# KiCad board pcb.kicad_pcb
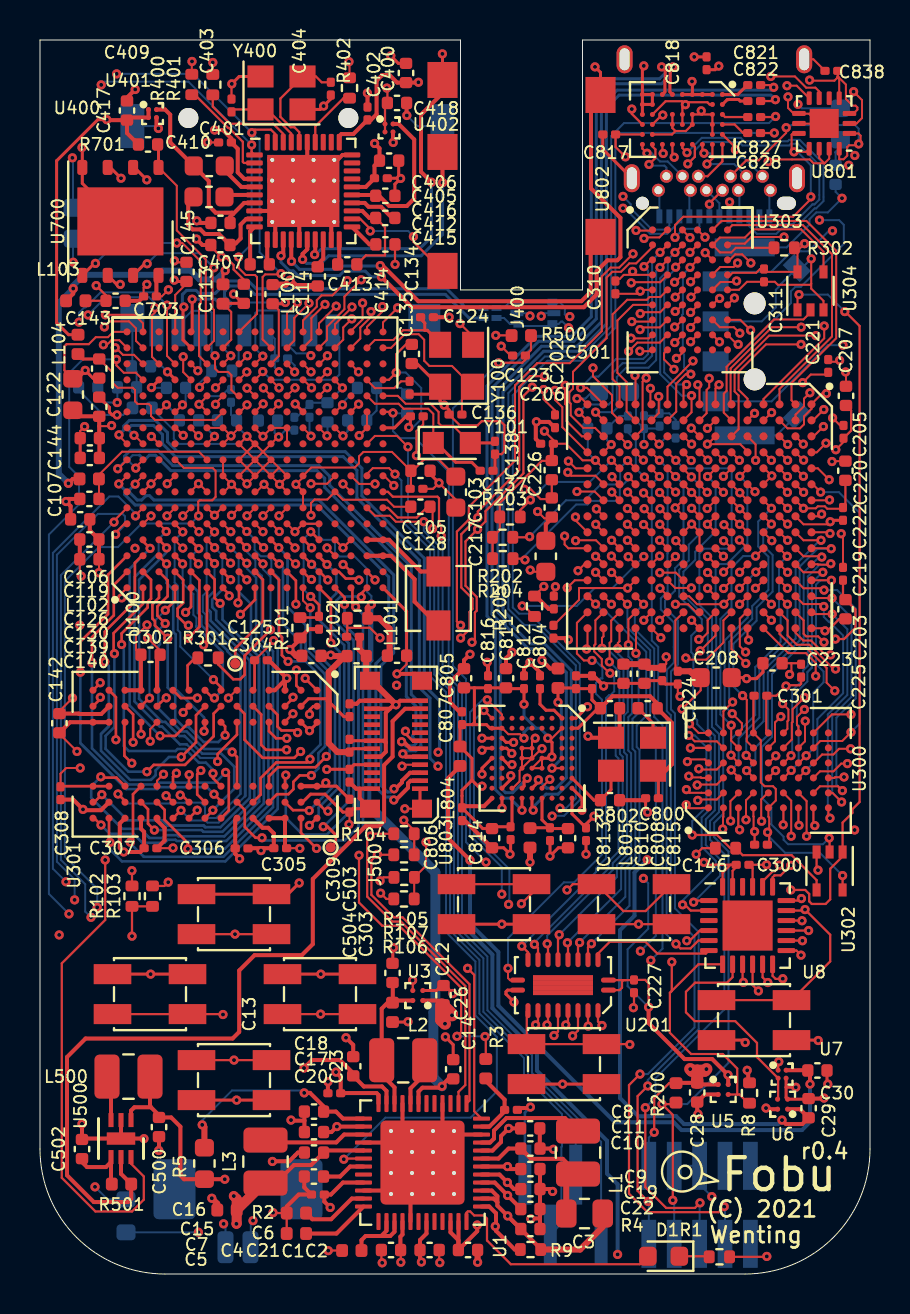
[diagram p0: board, top side]
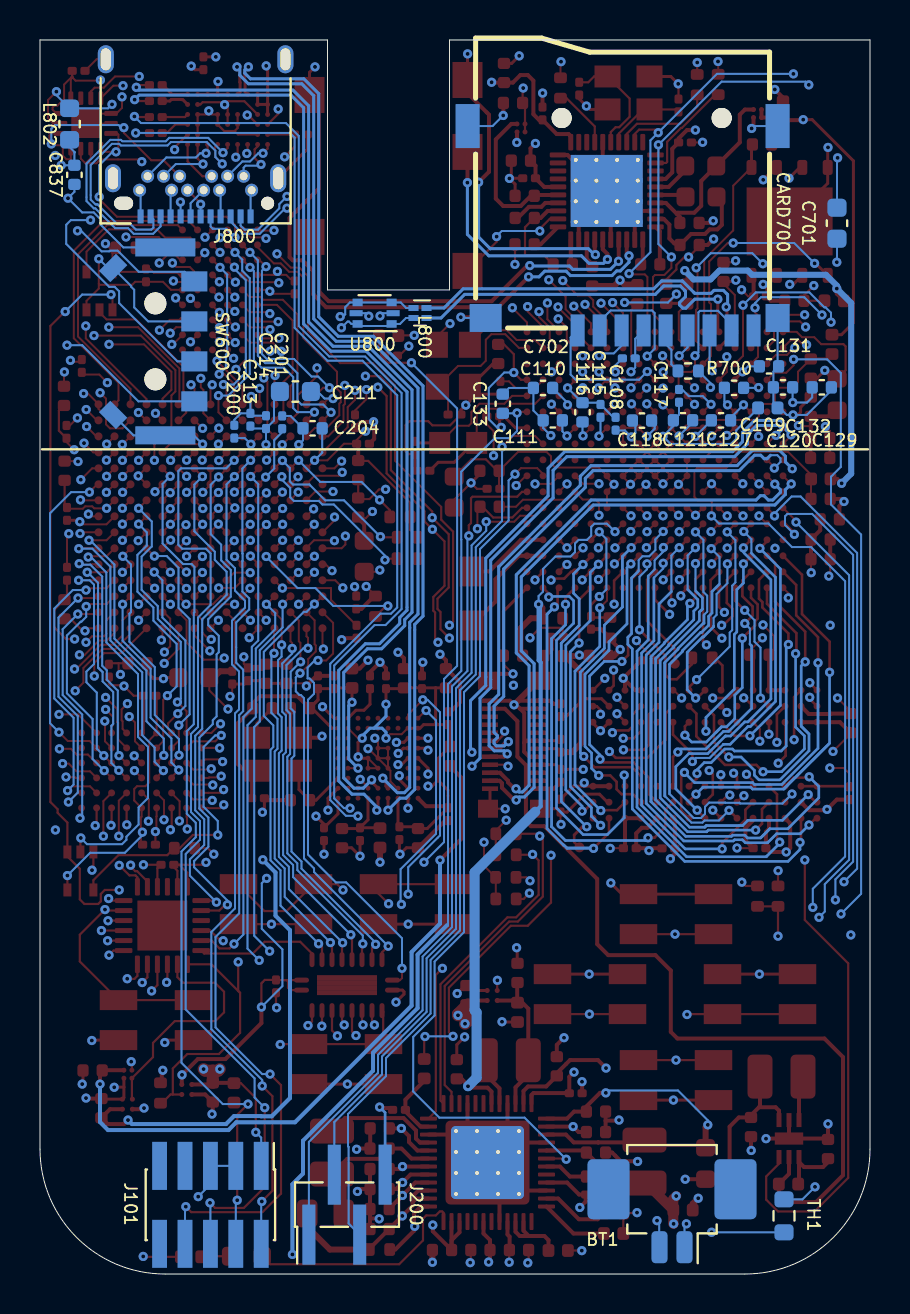
[diagram p1: board, bottom side, seen from below]

Outline 41.5 x 61.73 mm; copper layers: Top, In1.Cu (plane), In2.Cu, In3.Cu (plane), In4.Cu (plane), Bottom. Coordinates in mm from the lower left corner of the outline.
Outline path: 0,61.73 0,6.25 arc(1.83,1.83) 6.25,0 35.25,0 arc(39.67,1.83) 41.5,6.25 41.5,61.73 27.12,61.73 27.12,49.22 21.03,49.22 21.03,61.73 0,61.73
Stack: Top 0.035mm / dielectric 0.1mm FR4 er 4.5 / In1.Cu 0.0175mm / dielectric 0.365mm FR4 er 4.5 / In2.Cu 0.0175mm / dielectric 0.127mm FR4 er 4.5 / In3.Cu 0.0175mm / dielectric 0.365mm FR4 er 4.5 / In4.Cu 0.0175mm / dielectric 0.1mm FR4 er 4.5 / Bottom 0.035mm

## Placement (name value [footprint] x y rotation side)
BT1  Conn_01x02  [Molex_PicoBlade_53261-0271_1x02-1MP_P1.25mm_Horizontal]  9.9 3.74 0 bottom
C1  10uF  [C_0402_1005Metric]  19.48 1.2 0 top
C2  10uF  [C_0402_1005Metric]  21.4 1.2 0 top
C3  10uF  [C_0402_1005Metric]  24.52 2.25 0 top
C4  1uF  [C_0402_1005Metric]  15.59 1.17 180 top
C5  470nF  [C_0201_0603Metric]  13.89 3.97 180 top
C6  1uF  [C_0402_1005Metric]  12.82 2.03 180 top
C7  4.7uF  [C_0402_1005Metric]  13.69 4.88 180 top
C8  100nF  [C_0201_0603Metric]  23.55 8.21 0 top
C9  10uF  [C_0402_1005Metric]  24.52 5.25 180 top
C10  10uF  [C_0402_1005Metric]  24.52 6.28 180 top
C11  10uF  [C_0402_1005Metric]  24.51 7.28 180 top
C12  10uF  [C_0402_1005Metric]  17.62 15.06 270 top
C13  1nF  [C_0402_1005Metric]  17.62 13.09 90 top
C14  10uF  [C_0402_1005Metric]  20.66 10.24 270 top
C15  10uF  [C_0402_1005Metric]  13.7 6.08 0 top
C16  1nF  [C_0402_1005Metric]  9.35 3.2 0 top
C17  10uF  [C_0402_1005Metric]  13.7 7.1 0 top
C18  10uF  [C_0402_1005Metric]  13.7 8.12 0 top
C19  4.7uF  [C_0402_1005Metric]  24.52 4.25 180 top
C20  100nF  [C_0201_0603Metric]  14.71 9.04 0 top
C21  4.7uF  [C_0402_1005Metric]  17.55 1.2 0 top
C22  4.7uF  [C_0402_1005Metric]  24.52 3.25 180 top
C23  10uF  [C_0402_1005Metric]  15.66 10.39 270 top
C26  1uF  [C_0402_1005Metric]  20.17 13.95 270 top
C28  1uF  [C_0402_1005Metric]  32.86 9.08 90 top
C29  1uF  [C_0402_1005Metric]  38.43 8.3 270 top
C30  1uF  [C_0402_1005Metric]  38.87 10.18 180 top
C100  4.7uF  [C_0402_1005Metric]  17.85 30.93 0 top
C101  470nF  [C_0201_0603Metric]  15.65 31.88 0 top
C102  100nF  [C_0201_0603Metric]  13.95 32.58 270 top
C103  22uF  [C_0603_1608Metric]  20.79 39.11 270 top
C104  2.2uF  [C_0402_1005Metric]  19.03 40.17 0 top
C105  100nF  [C_0201_0603Metric]  18.83 39.28 0 top
C106  10uF  [C_0402_1005Metric]  2.49 41.81 180 top
C107  2.2uF  [C_0402_1005Metric]  2.96 43.38 90 top
C108  100nF  [C_0201_0603Metric]  12.72 42.53 90 bottom
C109  4.7uF  [C_0402_1005Metric]  6.8 44.33 180 bottom
C110  4.7uF  [C_0402_1005Metric]  16.35 44.32 0 bottom
C111  2.2uF  [C_0402_1005Metric]  15.86 42.7 0 bottom
C113  2.2uF  [C_0402_1005Metric]  10.19 49.03 90 top
C114  1uF  [C_0402_1005Metric]  11.63 49.01 90 top
C115  100nF  [C_0201_0603Metric]  13.47 43.17 90 bottom
C116  2.2uF  [C_0402_1005Metric]  14.38 43.1 90 bottom
C117  100nF  [C_0201_0603Metric]  9.55 43.92 90 bottom
C118  1uF  [C_0402_1005Metric]  11.4 42.69 180 bottom
C119  1uF  [C_0402_1005Metric]  2.49 40.82 180 top
C120  4.7uF  [C_0402_1005Metric]  5.11 43.32 180 bottom
C121  4.7uF  [C_0402_1005Metric]  9.35 42.7 180 bottom
C122  47uF  [C_0603_1608Metric]  1.64 43.99 90 top
C123  18pF  [C_0201_0603Metric]  20.78 42.99 180 top
C124  18pF  [C_0201_0603Metric]  19.35 47.86 0 top
C125  2.2uF  [C_0402_1005Metric]  13.57 30.92 180 top
C126  1uF  [C_0402_1005Metric]  2.47 38.77 180 top
C127  1uF  [C_0402_1005Metric]  7.45 42.7 180 bottom
C128  2.2uF  [C_0402_1005Metric]  19.02 38.38 0 top
C129  2.2uF  [C_0402_1005Metric]  2.41 44.35 180 bottom
C130  2.2uF  [C_0402_1005Metric]  2.01 37.75 180 top
C131  2.2uF  [C_0402_1005Metric]  5.05 45.4 180 bottom
C132  2.2uF  [C_0402_1005Metric]  4.35 44.35 0 bottom
C133  1uF  [C_0402_1005Metric]  18.36 43.53 90 bottom
C134  1uF  [C_0402_1005Metric]  18.59 46.02 270 top
C135  470nF  [C_0201_0603Metric]  18.48 44.33 270 top
C136  100nF  [C_0201_0603Metric]  18.84 42.9 0 top
C137  18pF  [C_0201_0603Metric]  22.33 40.18 180 top
C138  18pF  [C_0201_0603Metric]  22.75 41.33 90 top
C139  4.7uF  [C_0402_1005Metric]  2.47 36.74 180 top
C140  2.2uF  [C_0402_1005Metric]  2.47 35.75 180 top
C141  4.7uF  [C_0402_1005Metric]  15.83 30.91 0 top
C142  2.2uF  [C_0402_1005Metric]  0.97 27.55 270 top
C143  1uF  [C_0402_1005Metric]  3.78 48.68 0 top
C144  1uF  [C_0402_1005Metric]  2.96 45.29 270 top
C145  1uF  [C_0402_1005Metric]  7.33 50.12 90 top
C146  100nF  [C_0201_0603Metric]  35.13 20.47 180 top
C200  470nF  [C_0201_0603Metric]  31.78 42.14 270 bottom
C201  470nF  [C_0201_0603Metric]  29.39 42.6 270 bottom
C202  470nF  [C_0201_0603Metric]  25.75 42.66 90 top
C203  4.7uF  [C_0402_1005Metric]  40.28 33.25 90 top
C204  4.7uF  [C_0402_1005Metric]  27.87 42.3 180 bottom
C205  470nF  [C_0201_0603Metric]  40.18 42.12 270 top
C206  470nF  [C_0201_0603Metric]  25.35 41.53 0 top
C207  4.7uF  [C_0402_1005Metric]  40.3 43.92 270 top
C208  47uF  [C_0603_1608Metric]  33.81 29.83 180 top
C209  470nF  [C_0201_0603Metric]  25.69 33.59 90 top
C210  4.7uF  [C_0402_1005Metric]  25.59 38.34 270 top
C211  47uF  [C_0603_1608Metric]  28.73 44.14 0 bottom
C212  470nF  [C_0201_0603Metric]  31.11 30 90 top
C213  470nF  [C_0201_0603Metric]  30.98 42.73 270 bottom
C214  470nF  [C_0201_0603Metric]  30.2 42.61 270 bottom
C215  4.7uF  [C_0402_1005Metric]  30.22 30.03 90 top
C216  4.7uF  [C_0402_1005Metric]  29.18 30.03 90 top
C217  47uF  [C_0603_1608Metric]  25.29 35.9 90 top
C218  470nF  [C_0201_0603Metric]  25.67 32.12 90 top
C219  470nF  [C_0201_0603Metric]  40.15 35.03 270 top
C220  4.7uF  [C_0402_1005Metric]  40.27 40.18 270 top
C221  470nF  [C_0201_0603Metric]  39.41 45.42 270 top
C222  470nF  [C_0201_0603Metric]  40.15 38.02 90 top
C223  4.7uF  [C_0402_1005Metric]  36.62 30.55 0 top
C224  470nF  [C_0201_0603Metric]  31.89 29.83 90 top
C225  470nF  [C_0201_0603Metric]  38.06 30.18 90 top
C226  4.7uF  [C_0402_1005Metric]  25.59 40.21 90 top
C227  100nF  [C_0201_0603Metric]  29.7 14.39 270 top
C300  470nF  [C_0201_0603Metric]  36.05 21.47 180 top
C301  470nF  [C_0201_0603Metric]  36.03 28.92 0 top
C302  10uF  [C_0402_1005Metric]  5.53 30.97 180 top
C303  100nF  [C_0201_0603Metric]  15.47 23.42 270 top
C304  100nF  [C_0201_0603Metric]  11.05 30.7 0 top
C305  100nF  [C_0201_0603Metric]  12.01 21.3 180 top
C306  100nF  [C_0201_0603Metric]  10.08 21.29 0 top
C307  100nF  [C_0201_0603Metric]  5.53 21.3 0 top
C308  100nF  [C_0201_0603Metric]  1.03 24.05 270 top
C309  100nF  [C_0201_0603Metric]  15.47 28.2 90 top
C310  470nF  [C_0201_0603Metric]  28.77 49.35 90 top
C311  470nF  [C_0201_0603Metric]  36.2 49.95 270 top
C400  10uF  [C_0402_1005Metric]  18.3 60.08 90 top
C401  100nF  [C_0201_0603Metric]  9.25 56.6 180 top
C402  100nF  [C_0201_0603Metric]  16.38 58.05 90 top
C403  18pF  [C_0201_0603Metric]  9.58 58.45 90 top
C404  18pF  [C_0201_0603Metric]  14.54 59.29 270 top
C405  100nF  [C_0201_0603Metric]  17.05 54.81 0 top
C406  4.7uF  [C_0402_1005Metric]  17.45 55.69 0 top
C407  2.2uF  [C_0402_1005Metric]  9.02 51.47 180 top
C408  2.2uF  [C_0402_1005Metric]  9.03 52.58 180 top
C409  15uF  [C_0603_1608Metric]  8.46 55.42 0 top
C410  15uF  [C_0603_1608Metric]  8.45 53.88 0 top
C411  2.2uF  [C_0402_1005Metric]  10.99 50.5 0 top
C412  2.2uF  [C_0402_1005Metric]  17.26 52.83 0 top
C413  2.2uF  [C_0402_1005Metric]  15.36 50.5 180 top
C414  2.2uF  [C_0402_1005Metric]  13.89 49.9 270 top
C415  2.2uF  [C_0402_1005Metric]  17.27 51.5 0 top
C416  2.2uF  [C_0402_1005Metric]  17.27 53.93 0 top
C417  1uF  [C_0402_1005Metric]  4.35 58.2 90 top
C418  1uF  [C_0402_1005Metric]  17.85 58.58 0 top
C500  1uF  [C_0402_1005Metric]  5.95 7.35 270 top
C501  100nF  [C_0201_0603Metric]  23.95 45.94 180 top
C502  1uF  [C_0402_1005Metric]  2.1 6.25 90 top
C503  470nF  [C_0201_0603Metric]  15.47 26.42 90 top
C504  470nF  [C_0201_0603Metric]  15.47 24.92 270 top
C701  22uF  [C_0603_1608Metric]  1.65 52.56 90 bottom
C702  100nF  [C_0201_0603Metric]  12.06 45.8 0 bottom
C703  470nF  [C_0201_0603Metric]  5.5 48.9 0 top
C800  DNP/470nF  [C_0201_0603Metric]  30.6 23.8 0 top
C801  1uF  [C_0402_1005Metric]  28.5 28.3 0 top
C802  100nF  [C_0201_0603Metric]  27.6 29.6 90 top
C803  100nF  [C_0201_0603Metric]  26.8 29.6 90 top
C804  470nF  [C_0201_0603Metric]  25 29.6 270 top
C805  1uF  [C_0402_1005Metric]  21.2 29.8 90 top
C806  100nF  [C_0201_0603Metric]  21.1 23 270 top
C807  100nF  [C_0201_0603Metric]  21.1 27.8 90 top
C808  1uF  [C_0402_1005Metric]  26.4 21.8 270 top
C810  100nF  [C_0201_0603Metric]  25.5 22 270 top
C811  1uF  [C_0402_1005Metric]  23.3 29.8 90 top
C812  100nF  [C_0201_0603Metric]  24.2 29.6 90 top
C813  100nF  [C_0201_0603Metric]  23.53 22.05 270 top
C814  10uF  [C_0402_1005Metric]  22.6 21.8 270 top
C815  10nF  [C_0201_0603Metric]  27.3 22 270 top
C816  10nF  [C_0201_0603Metric]  22.4 29.6 90 top
C817  100nF  [C_0201_0603Metric]  28.46 57 180 top
C818  100nF  [C_0201_0603Metric]  33.33 60.56 90 top
C821  100nF  [C_0201_0603Metric]  35.71 59.47 180 top
C822  100nF  [C_0201_0603Metric]  35.71 58.67 180 top
C827  100nF  [C_0201_0603Metric]  35.71 57.87 180 top
C828  100nF  [C_0201_0603Metric]  35.71 57.07 180 top
C837  10uF  [C_0402_1005Metric]  39.78 54.98 270 bottom
C838  100nF  [C_0201_0603Metric]  39.57 60.18 180 top
CARD700  MICRO_SD(TFC-WPAPR-08)  [TFC-WPAPR-08]  12.37 54.57 90 bottom
D1  LED  [D_0603_1608Metric]  31.18 0.89 180 top
J101  Conn_01x04  [PinHeader_1x04_P1.27mm_Vertical_SMD_Pin1Left]  26.15 3.47 90 bottom
J200  Conn_02x05_Odd_Even  [PinHeader_2x05_P1.27mm_Vertical_SMD]  32.98 3.46 270 bottom
J400  AudioJack3_SwitchT  [PJ-327E]  24.08 55.42 270 top
J500  -  [AXT524124]  17.8 26.47 90 top
J800  USB_C_Receptacle  [USB_C_Receptacle_Amphenol_12401548E4-2A]  33.72 57.92 0 bottom
L1  4.7uH  [L_1008_2520Metric]  26.9 6.08 270 top
L2  4.7uH  [L_1008_2520Metric]  18.16 10.69 180 top
L3  4.7uH  [L_1008_2520Metric]  11.28 5.62 270 top
L100  120R  [L_0402_1005Metric]  9.15 49.02 270 top
L101  LQH3NPN4R7MGRL  [L_Vishay_IHLP-1212]  19.92 33.79 90 top
L102  120R  [L_0402_1005Metric]  2.46 39.77 180 top
L103  120R  [L_0402_1005Metric]  1.79 48.68 180 top
L104  120R  [L_0402_1005Metric]  1.9 46.5 90 top
L500  LQH2HPN100MGRL  [L_1008_2520Metric]  4.42 9.88 180 top
L800  EXC14CE900U  [L_CommonModeChoke_Panasonic_EXC14CE]  22.5 48.07 270 bottom
L802  300R  [L_0603_1608Metric]  40.02 57.52 90 bottom
L803  120R  [L_0402_1005Metric]  25.9 29.8 270 top
L804  120R  [L_0402_1005Metric]  21 25.9 90 top
L805  120R  [L_0402_1005Metric]  24.5 21.81 90 top
R1  1K  [R_0402_1005Metric#2]  33.97 0.86 0 top
R2  200K  [R_0402_1005Metric]  12.82 3.05 180 top
R3  1K  [R_0402_1005Metric]  22.29 10.27 90 top
R4  0.03R  [R_0805_2012Metric]  27.22 3.03 0 top
R5  1R  [R_0603_1608Metric]  8.22 5.53 90 top
R8  100K  [R_0402_1005Metric#2]  35.47 9.06 270 top
R9  100K  [R_0402_1005Metric#2]  24.53 1.22 0 top
R100  30K  [R_0402_1005Metric#2]  15.88 32.8 180 top
R101  4.7K  [R_0402_1005Metric#2]  13 32.33 270 top
R102  4.7K  [R_0402_1005Metric#2]  4.6 18.9 90 top
R103  4.7K  [R_0402_1005Metric#2]  5.62 18.9 90 top
R104  4.7K  [R_0402_1005Metric#2]  18.2 22.02 180 top
R105  4.7K  [R_0402_1005Metric#2]  18.2 20.97 180 top
R106  4.7K  [R_0402_1005Metric#2]  18.2 18.76 180 top
R107  4.7K  [R_0402_1005Metric#2]  18.21 19.84 180 top
R200  4.7K  [R_0402_1005Metric]  31.8 9.06 270 top
R202  10K  [R_0402_1005Metric#2]  23.13 36.85 0 top
R203  10K  [R_0402_1005Metric#2]  23.5 37.87 0 top
R204  10K  [R_0402_1005Metric#2]  23.14 35.78 0 top
R205  2.2K  [R_0402_1005Metric#2]  24.72 33.4 270 top
R300  10K  [R_0402_1005Metric#2]  34.28 21.3 0 top
R301  0  [R_0402_1005Metric#2]  8.4 30.82 180 top
R302  10K  [R_0402_1005Metric#2]  37.21 51.33 180 top
R400  33  [R_0402_1005Metric#2]  7.59 59.5 90 top
R401  33  [R_0402_1005Metric#2]  8.64 59.49 90 top
R402  33  [R_0402_1005Metric#2]  15.47 59.33 90 top
R500  100K  [R_0402_1005Metric]  24.06 46.94 180 top
R501  127  [R_0402_1005Metric]  4.08 4.5 0 top
R700  0  [R_0402_1005Metric#2]  9.09 45.17 180 bottom
R701  100K  [C_0402_1005Metric]  5.4 56.5 0 top
R800  DNP/10K  [C_0402_1005Metric]  30.38 28.3 180 top
R802  0/DNP  [C_0402_1005Metric]  28.5 23.7 0 top
SW600  -  [K1-1511SA-02]  34.73 46.65 90 bottom
SW_A1  SW_Push  [SW_SPST_K21177SR]  35.7 12.7 0 top
SW_B1  SW_Push  [SW_SPST_K21177SR]  26.2 10.5 0 top
SW_DOWN1  SW_Push  [SW_SPST_K21177SR]  9.7 9.7 0 top
SW_LEFT1  SW_Push  [SW_SPST_K21177SR]  5.5 14 180 top
SW_RIGHT1  SW_Push  [SW_SPST_K21177SR]  14 14 180 top
SW_SELECT1  SW_Push  [SW_SPST_K21177SR]  22.7 18.5 0 top
SW_START1  SW_Push  [SW_SPST_K21177SR]  29.7 18.5 0 top
SW_UP1  SW_Push  [SW_SPST_K21177SR]  9.7 18 180 top
TH1  100K  [R_0603_1608Metric#2]  4.3 2.91 90 bottom
TP100  TestPoint  [TestPoint_Pad_D0.5mm]  9.76 30.53 0 top
TP101  TestPoint  [TestPoint_Pad_D0.5mm]  14.53 21.34 0 top
U1  AXP209  [QFN-48-1EP_6x6mm_P0.4mm_EP4.2x4.2mm_ThermalVias]  19.12 5.58 270 top
U3  NX3P1108UK  [CSP-4_2x2_1.0x1.0mm]  18.89 13.93 180 top
U5  NX3P1108UK  [CSP-4_2x2_1.0x1.0mm]  34.16 9.23 0 top
U6  NX3P1108UK  [CSP-4_2x2_1.0x1.0mm]  37.13 8.5 180 top
U7  ADP121-1.2  [CSP-4_2x2_0.8x0.8mm]  37.1 10 0 top
U8  PCA9555AHF  [HVQFN-24-1EP_4x4mm_P0.5mm_EP2.5x2.5mm]  35.38 17.43 0 top
U100  MIMXRT1176DVMAA  [BGA-289_17x17_14.0x14.0mm]  10.75 40.72 90 top
U200  XC7S25-CSGA225  [BGA-225_15x15_13.0x13.0mm]  32.97 37.9 270 top
U201  74LVCH245A  [DHVQFN-20_EP_4.5x2.5_Pitch0.5mm]  26.15 14.45 180 top
U300  IS66WVC4M16-ALL  [BGA-54_6x9_6.0x8.0mm]  36.42 25.19 90 top
U301  MT48H16M32LFB5-6 or IS42VM32160E-6 or W989D2DBJX6  [BGA-90_9x15_8.0x13.0mm]  8.25 26 270 top
U302  74LVC1G126  [SOT-353_SC-70-5]  39.48 20.16 270 top
U303  IS66WVC4M16-ALL  [BGA-54_6x9_6.0x8.0mm]  32.5 49.22 0 top
U304  74LVC1G126  [SOT-353_SC-70-5]  38.53 49.17 90 top
U400  CS43130  [QFN-40-1EP_5x5mm_P0.4mm_EP3.6x3.6mm_ThermalVias]  13.16 54.17 0 top
U401  ADP150-1.8  [CSP-4_2x2_0.8x0.8mm]  5.62 58.05 0 top
U402  ADP150-1.8  [CSP-4_2x2_0.8x0.8mm]  17.45 57.33 0 top
U500  LT3491  [DFN-6-1EP_2x2mm_P0.5mm_EP0.61x1.42mm]  4.05 6.78 270 top
U700  W25Q128JVP  [WSON-8-1EP_6x5mm_P1.27mm_EP3.4x4.3mm]  4.02 52.65 270 top
U800  USBLC6-2P6  [SOT-666]  24.77 48.06 0 bottom
U801  FUSB302BMPX  [WQFN-14-1EP_2.5x2.5mm_P0.5mm_EP1.45x1.45mm]  39.21 57.55 180 top
U802  CBTL08GP053  [BGA-40_6x9_3.5x5.0mm]  32.12 57.75 270 top
U803  SN65DSI86  [BGA-64_9x9_5.0x5.0mm]  24.6 25.8 270 top
X800  DNP/19.2MHz  [Oscillator_SMD_Abracon_ASE-4Pin_3.2x2.5mm]  29.6 26 180 top
Y100  24MHz  [Oscillator_SMD_Abracon_ASE-4Pin_3.2x2.5mm]  20.83 45.43 90 top
Y101  32.768K  [Crystal_SMD_TXC_9HT11-2Pin_2.0x1.2mm_HandSoldering]  20.59 41.57 0 top
Y400  22.5792MHz  [Oscillator_SMD_Abracon_ASE-4Pin_3.2x2.5mm]  12.08 59.08 0 top

## Footprints (pads in the part's own frame, mm; a bottom-side part is the same pattern mirrored in y, then rotated)
AXT524124
  rect 0.9x1 smd: MP(-3.2,1.3) MP(-3.2,-1.3) MP(3.2,1.3) MP(3.2,-1.3)
  rect 0.23x0.8 smd: a1(-2.2,-1.2) a2(-1.8,-1.2) a3(-1.4,-1.2) a4(-1,-1.2) a5(-0.6,-1.2) a6(-0.2,-1.2) a7(0.2,-1.2) a8(0.6,-1.2) a9(1,-1.2) a10(1.4,-1.2) a11(1.8,-1.2) a12(2.2,-1.2) b1(-2.2,1.2) b2(-1.8,1.2) b3(-1.4,1.2) b4(-1,1.2) b5(-0.6,1.2) b6(-0.2,1.2) b7(0.2,1.2) b8(0.6,1.2) b9(1,1.2) b10(1.4,1.2) b11(1.8,1.2) b12(2.2,1.2)
BGA-40_6x9_3.5x5.0mm
  round 0.25 smd: A1(-1.25,2) A2(-0.75,2) A3(-0.25,2) A4(0.25,2) A5(0.75,2) A6(1.25,2) B1(-1.25,1.5) B2(-0.75,1.5) B3(-0.25,1.5) B4(0.25,1.5) B5(0.75,1.5) B6(1.25,1.5) C1(-1.25,1) C6(1.25,1) D1(-1.25,0.5) D3(-0.25,0.5) D4(0.25,0.5) D6(1.25,0.5) E1(-1.25,0) E3(-0.25,0) E4(0.25,0) E6(1.25,0) F1(-1.25,-0.5) F3(-0.25,-0.5) F4(0.25,-0.5) F6(1.25,-0.5) G1(-1.25,-1) G6(1.25,-1) H1(-1.25,-1.5) H2(-0.75,-1.5) H3(-0.25,-1.5) H4(0.25,-1.5) H5(0.75,-1.5) H6(1.25,-1.5) J1(-1.25,-2) J2(-0.75,-2) J3(-0.25,-2) J4(0.25,-2) J5(0.75,-2) J6(1.25,-2)
BGA-54_6x9_6.0x8.0mm
  round 0.35 smd: A1(-1.875,3) A2(-1.125,3) A3(-0.375,3) A4(0.375,3) A5(1.125,3) A6(1.875,3) B1(-1.875,2.25) B2(-1.125,2.25) B3(-0.375,2.25) B4(0.375,2.25) B5(1.125,2.25) B6(1.875,2.25) C1(-1.875,1.5) C2(-1.125,1.5) C3(-0.375,1.5) C4(0.375,1.5) C5(1.125,1.5) C6(1.875,1.5) D1(-1.875,0.75) D2(-1.125,0.75) D3(-0.375,0.75) D4(0.375,0.75) D5(1.125,0.75) D6(1.875,0.75) E1(-1.875,0) E2(-1.125,0) E3(-0.375,0) E4(0.375,0) E5(1.125,0) E6(1.875,0) F1(-1.875,-0.75) F2(-1.125,-0.75) F3(-0.375,-0.75) F4(0.375,-0.75) F5(1.125,-0.75) F6(1.875,-0.75) G1(-1.875,-1.5) G2(-1.125,-1.5) G3(-0.375,-1.5) G4(0.375,-1.5) G5(1.125,-1.5) G6(1.875,-1.5) H1(-1.875,-2.25) H2(-1.125,-2.25) H3(-0.375,-2.25) H4(0.375,-2.25) H5(1.125,-2.25) H6(1.875,-2.25) J1(-1.875,-3) J2(-1.125,-3) J3(-0.375,-3) J4(0.375,-3) J5(1.125,-3) J6(1.875,-3)
BGA-64_9x9_5.0x5.0mm
  round 0.25 smd: A1(-2,2) A2(-1.5,2) A3(-1,2) A4(-0.5,2) A5(0,2) A6(0.5,2) A7(1,2) A8(1.5,2) A9(2,2) B1(-2,1.5) B2(-1.5,1.5) B3(-1,1.5) B4(-0.5,1.5) B5(0,1.5) B6(0.5,1.5) B7(1,1.5) B8(1.5,1.5) B9(2,1.5) C1(-2,1) C2(-1.5,1) C8(1.5,1) C9(2,1) D1(-2,0.5) D2(-1.5,0.5) D5(0,0.5) D6(0.5,0.5) D8(1.5,0.5) D9(2,0.5) E1(-2,0) E2(-1.5,0) E4(-0.5,0) E5(0,0) E6(0.5,0) E8(1.5,0) E9(2,0) F1(-2,-0.5) F2(-1.5,-0.5) F4(-0.5,-0.5) F5(0,-0.5) F6(0.5,-0.5) F8(1.5,-0.5) F9(2,-0.5) G1(-2,-1) G2(-1.5,-1) G8(1.5,-1) G9(2,-1) H1(-2,-1.5) H2(-1.5,-1.5) H3(-1,-1.5) H4(-0.5,-1.5) H5(0,-1.5) H6(0.5,-1.5) H7(1,-1.5) H8(1.5,-1.5) H9(2,-1.5) J1(-2,-2) J2(-1.5,-2) J3(-1,-2) J4(-0.5,-2) J5(0,-2) J6(0.5,-2) J7(1,-2) J8(1.5,-2) J9(2,-2)
BGA-90_9x15_8.0x13.0mm
  round 0.35 smd: A1(-3.2,5.6) A2(-2.4,5.6) A3(-1.6,5.6) A7(1.6,5.6) A8(2.4,5.6) A9(3.2,5.6) B1(-3.2,4.8) B2(-2.4,4.8) B3(-1.6,4.8) B7(1.6,4.8) B8(2.4,4.8) B9(3.2,4.8) C1(-3.2,4) C2(-2.4,4) C3(-1.6,4) C7(1.6,4) C8(2.4,4) C9(3.2,4) D1(-3.2,3.2) D2(-2.4,3.2) D3(-1.6,3.2) D7(1.6,3.2) D8(2.4,3.2) D9(3.2,3.2) E1(-3.2,2.4) E2(-2.4,2.4) E3(-1.6,2.4) E7(1.6,2.4) E8(2.4,2.4) E9(3.2,2.4) F1(-3.2,1.6) F2(-2.4,1.6) F3(-1.6,1.6) F7(1.6,1.6) F8(2.4,1.6) F9(3.2,1.6) G1(-3.2,0.8) G2(-2.4,0.8) G3(-1.6,0.8) G7(1.6,0.8) G8(2.4,0.8) G9(3.2,0.8) H1(-3.2,0) H2(-2.4,0) H3(-1.6,0) H7(1.6,0) H8(2.4,0) H9(3.2,0) J1(-3.2,-0.8) J2(-2.4,-0.8) J3(-1.6,-0.8) J7(1.6,-0.8) J8(2.4,-0.8) J9(3.2,-0.8) K1(-3.2,-1.6) K2(-2.4,-1.6) K3(-1.6,-1.6) K7(1.6,-1.6) K8(2.4,-1.6) K9(3.2,-1.6) L1(-3.2,-2.4) L2(-2.4,-2.4) L3(-1.6,-2.4) L7(1.6,-2.4) L8(2.4,-2.4) L9(3.2,-2.4) M1(-3.2,-3.2) M2(-2.4,-3.2) M3(-1.6,-3.2) M7(1.6,-3.2) M8(2.4,-3.2) M9(3.2,-3.2) N1(-3.2,-4) N2(-2.4,-4) N3(-1.6,-4) N7(1.6,-4) N8(2.4,-4) N9(3.2,-4) P1(-3.2,-4.8) P2(-2.4,-4.8) P3(-1.6,-4.8) P7(1.6,-4.8) P8(2.4,-4.8) P9(3.2,-4.8) R1(-3.2,-5.6) R2(-2.4,-5.6) R3(-1.6,-5.6) R7(1.6,-5.6) R8(2.4,-5.6) R9(3.2,-5.6)
BGA-225_15x15_13.0x13.0mm
  round 0.4 smd: A1(-5.6,5.6) A2(-4.8,5.6) A3(-4,5.6) A4(-3.2,5.6) A5(-2.4,5.6) A6(-1.6,5.6) A7(-0.8,5.6) A8(0,5.6) A9(0.8,5.6) A10(1.6,5.6) A11(2.4,5.6) A12(3.2,5.6) A13(4,5.6) A14(4.8,5.6) A15(5.6,5.6) B1(-5.6,4.8) B2(-4.8,4.8) B3(-4,4.8) B4(-3.2,4.8) B5(-2.4,4.8) B6(-1.6,4.8) B7(-0.8,4.8) B8(0,4.8) B9(0.8,4.8) B10(1.6,4.8) B11(2.4,4.8) B12(3.2,4.8) B13(4,4.8) B14(4.8,4.8) B15(5.6,4.8) C1(-5.6,4) C2(-4.8,4) C3(-4,4) C4(-3.2,4) C5(-2.4,4) C6(-1.6,4) C7(-0.8,4) C8(0,4) C9(0.8,4) C10(1.6,4) C11(2.4,4) C12(3.2,4) C13(4,4) C14(4.8,4) C15(5.6,4) D1(-5.6,3.2) D2(-4.8,3.2) D3(-4,3.2) D4(-3.2,3.2) D5(-2.4,3.2) D6(-1.6,3.2) D7(-0.8,3.2) D8(0,3.2) D9(0.8,3.2) D10(1.6,3.2) D11(2.4,3.2) D12(3.2,3.2) D13(4,3.2) D14(4.8,3.2) D15(5.6,3.2) E1(-5.6,2.4) E2(-4.8,2.4) E3(-4,2.4) E4(-3.2,2.4) E5(-2.4,2.4) E6(-1.6,2.4) E7(-0.8,2.4) E8(0,2.4) E9(0.8,2.4) E10(1.6,2.4) E11(2.4,2.4) E12(3.2,2.4) E13(4,2.4) E14(4.8,2.4) E15(5.6,2.4) F1(-5.6,1.6) F2(-4.8,1.6) F3(-4,1.6) F4(-3.2,1.6) F5(-2.4,1.6) F6(-1.6,1.6) F7(-0.8,1.6) F8(0,1.6) F9(0.8,1.6) F10(1.6,1.6) F11(2.4,1.6) F12(3.2,1.6) F13(4,1.6) F14(4.8,1.6) F15(5.6,1.6) G1(-5.6,0.8) G2(-4.8,0.8) G3(-4,0.8) G4(-3.2,0.8) G5(-2.4,0.8) G6(-1.6,0.8) G7(-0.8,0.8) G8(0,0.8) G9(0.8,0.8) G10(1.6,0.8) G11(2.4,0.8) G12(3.2,0.8) G13(4,0.8) G14(4.8,0.8) G15(5.6,0.8) H1(-5.6,0) H2(-4.8,0) H3(-4,0) H4(-3.2,0) H5(-2.4,0) H6(-1.6,0) H7(-0.8,0) H8(0,0) H9(0.8,0) H10(1.6,0) H11(2.4,0) H12(3.2,0) H13(4,0) H14(4.8,0) H15(5.6,0) J1(-5.6,-0.8) J2(-4.8,-0.8) J3(-4,-0.8) J4(-3.2,-0.8) J5(-2.4,-0.8) J6(-1.6,-0.8) J7(-0.8,-0.8) J8(0,-0.8) J9(0.8,-0.8) J10(1.6,-0.8) J11(2.4,-0.8) J12(3.2,-0.8) J13(4,-0.8) J14(4.8,-0.8) J15(5.6,-0.8) K1(-5.6,-1.6) K2(-4.8,-1.6) K3(-4,-1.6) K4(-3.2,-1.6) K5(-2.4,-1.6) K6(-1.6,-1.6) K7(-0.8,-1.6) K8(0,-1.6) K9(0.8,-1.6) K10(1.6,-1.6) K11(2.4,-1.6) K12(3.2,-1.6) K13(4,-1.6) K14(4.8,-1.6) K15(5.6,-1.6) L1(-5.6,-2.4) L2(-4.8,-2.4) L3(-4,-2.4) L4(-3.2,-2.4) L5(-2.4,-2.4) L6(-1.6,-2.4) L7(-0.8,-2.4) L8(0,-2.4) L9(0.8,-2.4) L10(1.6,-2.4) L11(2.4,-2.4) L12(3.2,-2.4) L13(4,-2.4) L14(4.8,-2.4) L15(5.6,-2.4) M1(-5.6,-3.2) M2(-4.8,-3.2) M3(-4,-3.2) M4(-3.2,-3.2) M5(-2.4,-3.2) M6(-1.6,-3.2) M7(-0.8,-3.2) M8(0,-3.2) M9(0.8,-3.2) M10(1.6,-3.2) M11(2.4,-3.2) M12(3.2,-3.2) M13(4,-3.2) M14(4.8,-3.2) M15(5.6,-3.2) N1(-5.6,-4) N2(-4.8,-4) N3(-4,-4) N4(-3.2,-4) N5(-2.4,-4) N6(-1.6,-4) N7(-0.8,-4) N8(0,-4) N9(0.8,-4) N10(1.6,-4) N11(2.4,-4) N12(3.2,-4) N13(4,-4) N14(4.8,-4) N15(5.6,-4) P1(-5.6,-4.8) P2(-4.8,-4.8) P3(-4,-4.8) P4(-3.2,-4.8) P5(-2.4,-4.8) P6(-1.6,-4.8) P7(-0.8,-4.8) P8(0,-4.8) P9(0.8,-4.8) P10(1.6,-4.8) P11(2.4,-4.8) P12(3.2,-4.8) P13(4,-4.8) P14(4.8,-4.8) P15(5.6,-4.8) R1(-5.6,-5.6) R2(-4.8,-5.6) R3(-4,-5.6) R4(-3.2,-5.6) R5(-2.4,-5.6) R6(-1.6,-5.6) R7(-0.8,-5.6) R8(0,-5.6) R9(0.8,-5.6) R10(1.6,-5.6) R11(2.4,-5.6) R12(3.2,-5.6) R13(4,-5.6) R14(4.8,-5.6) R15(5.6,-5.6)
BGA-289_17x17_14.0x14.0mm
  round 0.35 smd: A1(-6.4,6.4) A2(-5.6,6.4) A3(-4.8,6.4) A4(-4,6.4) A5(-3.2,6.4) A6(-2.4,6.4) A7(-1.6,6.4) A8(-0.8,6.4) A9(0,6.4) A10(0.8,6.4) A11(1.6,6.4) A12(2.4,6.4) A13(3.2,6.4) A14(4,6.4) A15(4.8,6.4) A16(5.6,6.4) A17(6.4,6.4) B1(-6.4,5.6) B2(-5.6,5.6) B3(-4.8,5.6) B4(-4,5.6) B5(-3.2,5.6) B6(-2.4,5.6) B7(-1.6,5.6) B8(-0.8,5.6) B9(0,5.6) B10(0.8,5.6) B11(1.6,5.6) B12(2.4,5.6) B13(3.2,5.6) B14(4,5.6) B15(4.8,5.6) B16(5.6,5.6) B17(6.4,5.6) C1(-6.4,4.8) C2(-5.6,4.8) C3(-4.8,4.8) C4(-4,4.8) C5(-3.2,4.8) C6(-2.4,4.8) C7(-1.6,4.8) C8(-0.8,4.8) C9(0,4.8) C10(0.8,4.8) C11(1.6,4.8) C12(2.4,4.8) C13(3.2,4.8) C14(4,4.8) C15(4.8,4.8) C16(5.6,4.8) C17(6.4,4.8) D1(-6.4,4) D2(-5.6,4) D3(-4.8,4) D4(-4,4) D5(-3.2,4) D6(-2.4,4) D7(-1.6,4) D8(-0.8,4) D9(0,4) D10(0.8,4) D11(1.6,4) D12(2.4,4) D13(3.2,4) D14(4,4) D15(4.8,4) D16(5.6,4) D17(6.4,4) E1(-6.4,3.2) E2(-5.6,3.2) E3(-4.8,3.2) E4(-4,3.2) E5(-3.2,3.2) E6(-2.4,3.2) E7(-1.6,3.2) E8(-0.8,3.2) E9(0,3.2) E10(0.8,3.2) E11(1.6,3.2) E12(2.4,3.2) E13(3.2,3.2) E14(4,3.2) E15(4.8,3.2) E16(5.6,3.2) E17(6.4,3.2) F1(-6.4,2.4) F2(-5.6,2.4) F3(-4.8,2.4) F4(-4,2.4) F5(-3.2,2.4) F6(-2.4,2.4) F7(-1.6,2.4) F8(-0.8,2.4) F9(0,2.4) F10(0.8,2.4) F11(1.6,2.4) F12(2.4,2.4) F13(3.2,2.4) F14(4,2.4) F15(4.8,2.4) F16(5.6,2.4) F17(6.4,2.4) G1(-6.4,1.6) G2(-5.6,1.6) G3(-4.8,1.6) G4(-4,1.6) G5(-3.2,1.6) G6(-2.4,1.6) G7(-1.6,1.6) G8(-0.8,1.6) G9(0,1.6) G10(0.8,1.6) G11(1.6,1.6) G12(2.4,1.6) G13(3.2,1.6) G14(4,1.6) G15(4.8,1.6) G16(5.6,1.6) G17(6.4,1.6) H1(-6.4,0.8) H2(-5.6,0.8) H3(-4.8,0.8) H4(-4,0.8) H5(-3.2,0.8) H6(-2.4,0.8) H7(-1.6,0.8) H8(-0.8,0.8) H9(0,0.8) H10(0.8,0.8) H11(1.6,0.8) H12(2.4,0.8) H13(3.2,0.8) H14(4,0.8) H15(4.8,0.8) H16(5.6,0.8) H17(6.4,0.8) J1(-6.4,0) J2(-5.6,0) J3(-4.8,0) J4(-4,0) J5(-3.2,0) J6(-2.4,0) J7(-1.6,0) J8(-0.8,0) J9(0,0) J10(0.8,0) J11(1.6,0) J12(2.4,0) J13(3.2,0) J14(4,0) J15(4.8,0) J16(5.6,0) J17(6.4,0) K1(-6.4,-0.8) K2(-5.6,-0.8) K3(-4.8,-0.8) K4(-4,-0.8) K5(-3.2,-0.8) K6(-2.4,-0.8) K7(-1.6,-0.8) K8(-0.8,-0.8) K9(0,-0.8) K10(0.8,-0.8) K11(1.6,-0.8) K12(2.4,-0.8) K13(3.2,-0.8) K14(4,-0.8) K15(4.8,-0.8) K16(5.6,-0.8) K17(6.4,-0.8) L1(-6.4,-1.6) L2(-5.6,-1.6) L3(-4.8,-1.6) L4(-4,-1.6) L5(-3.2,-1.6) L6(-2.4,-1.6) L7(-1.6,-1.6) L8(-0.8,-1.6) L9(0,-1.6) L10(0.8,-1.6) L11(1.6,-1.6) L12(2.4,-1.6) L13(3.2,-1.6) L14(4,-1.6) L15(4.8,-1.6) L16(5.6,-1.6) L17(6.4,-1.6) M1(-6.4,-2.4) M2(-5.6,-2.4) M3(-4.8,-2.4) M4(-4,-2.4) M5(-3.2,-2.4) M6(-2.4,-2.4) M7(-1.6,-2.4) M8(-0.8,-2.4) M9(0,-2.4) M10(0.8,-2.4) M11(1.6,-2.4) M12(2.4,-2.4) M13(3.2,-2.4) M14(4,-2.4) M15(4.8,-2.4) M16(5.6,-2.4) M17(6.4,-2.4) N1(-6.4,-3.2) N2(-5.6,-3.2) N3(-4.8,-3.2) N4(-4,-3.2) N5(-3.2,-3.2) N6(-2.4,-3.2) N7(-1.6,-3.2) N8(-0.8,-3.2) N9(0,-3.2) N10(0.8,-3.2) N11(1.6,-3.2) N12(2.4,-3.2) N13(3.2,-3.2) N14(4,-3.2) N15(4.8,-3.2) N16(5.6,-3.2) N17(6.4,-3.2) P1(-6.4,-4) P2(-5.6,-4) P3(-4.8,-4) P4(-4,-4) P5(-3.2,-4) P6(-2.4,-4) P7(-1.6,-4) P8(-0.8,-4) P9(0,-4) P10(0.8,-4) P11(1.6,-4) P12(2.4,-4) P13(3.2,-4) P14(4,-4) P15(4.8,-4) P16(5.6,-4) P17(6.4,-4) R1(-6.4,-4.8) R2(-5.6,-4.8) R3(-4.8,-4.8) R4(-4,-4.8) R5(-3.2,-4.8) R6(-2.4,-4.8) R7(-1.6,-4.8) R8(-0.8,-4.8) R9(0,-4.8) R10(0.8,-4.8) R11(1.6,-4.8) R12(2.4,-4.8) R13(3.2,-4.8) R14(4,-4.8) R15(4.8,-4.8) R16(5.6,-4.8) R17(6.4,-4.8) T1(-6.4,-5.6) T2(-5.6,-5.6) T3(-4.8,-5.6) T4(-4,-5.6) T5(-3.2,-5.6) T6(-2.4,-5.6) T7(-1.6,-5.6) T8(-0.8,-5.6) T9(0,-5.6) T10(0.8,-5.6) T11(1.6,-5.6) T12(2.4,-5.6) T13(3.2,-5.6) T14(4,-5.6) T15(4.8,-5.6) T16(5.6,-5.6) T17(6.4,-5.6) U1(-6.4,-6.4) U2(-5.6,-6.4) U3(-4.8,-6.4) U4(-4,-6.4) U5(-3.2,-6.4) U6(-2.4,-6.4) U7(-1.6,-6.4) U8(-0.8,-6.4) U9(0,-6.4) U10(0.8,-6.4) U11(1.6,-6.4) U12(2.4,-6.4) U13(3.2,-6.4) U14(4,-6.4) U15(4.8,-6.4) U16(5.6,-6.4) U17(6.4,-6.4)